# KiCad board Asfoora.kicad_pcb
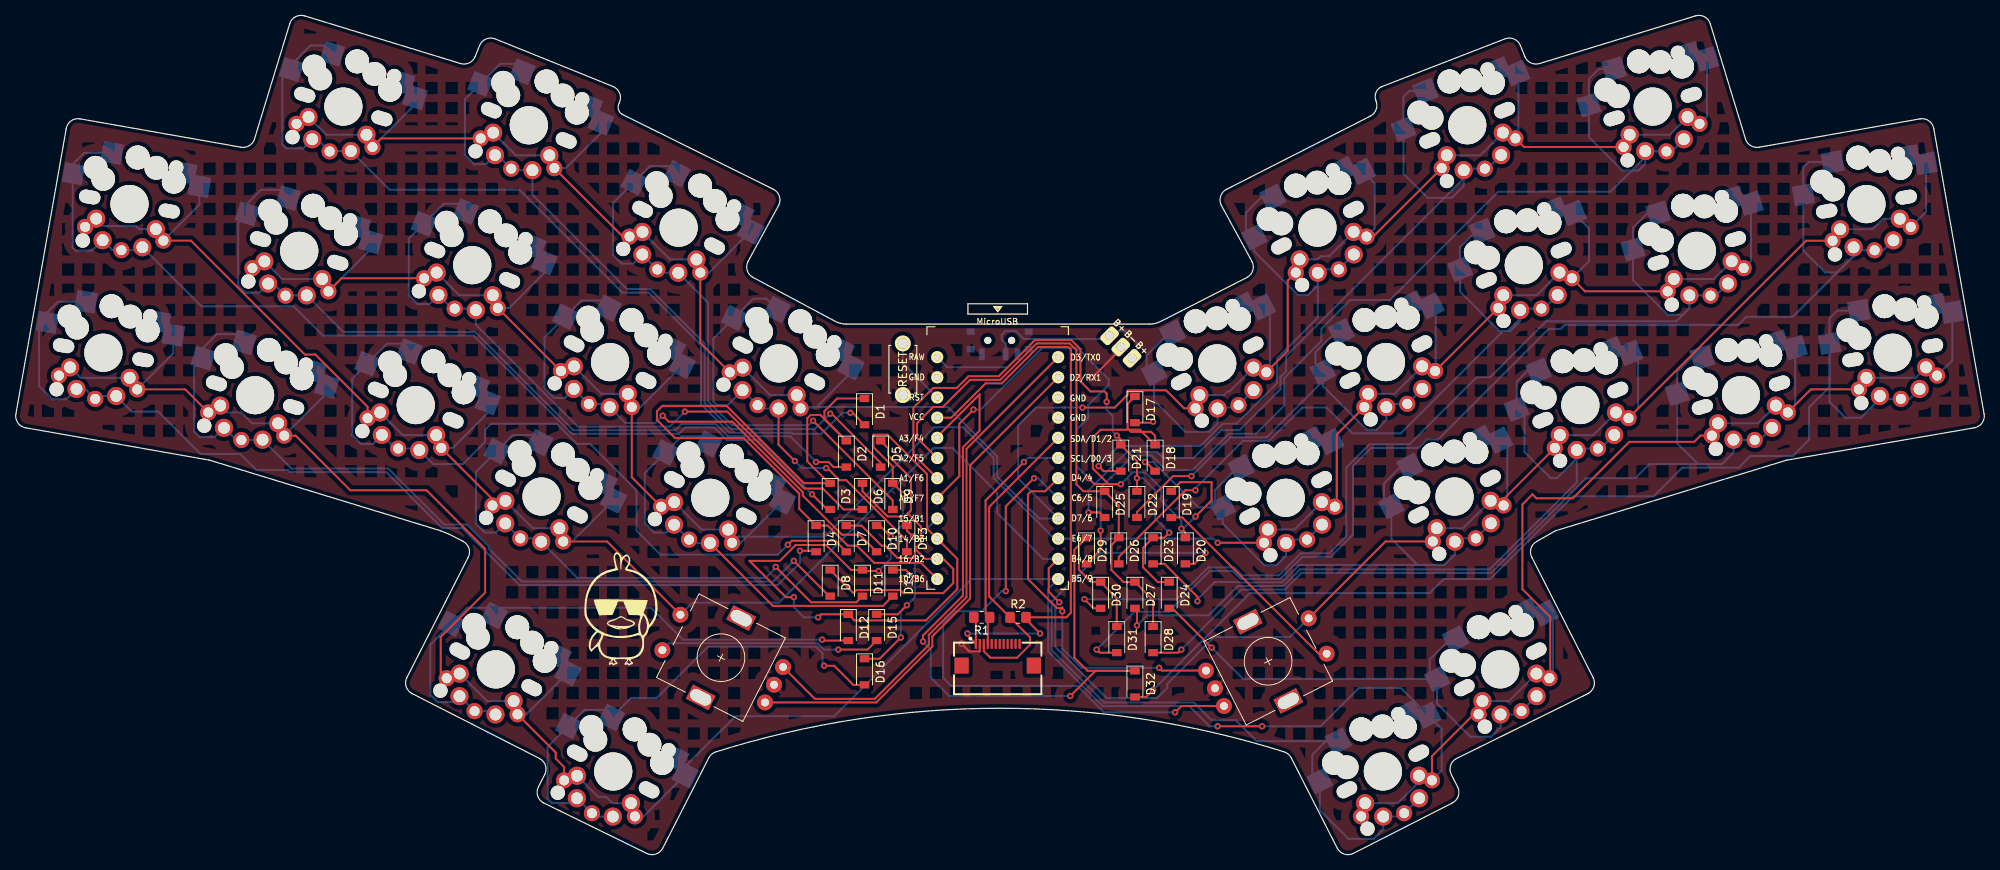
[diagram p0: board, top side]
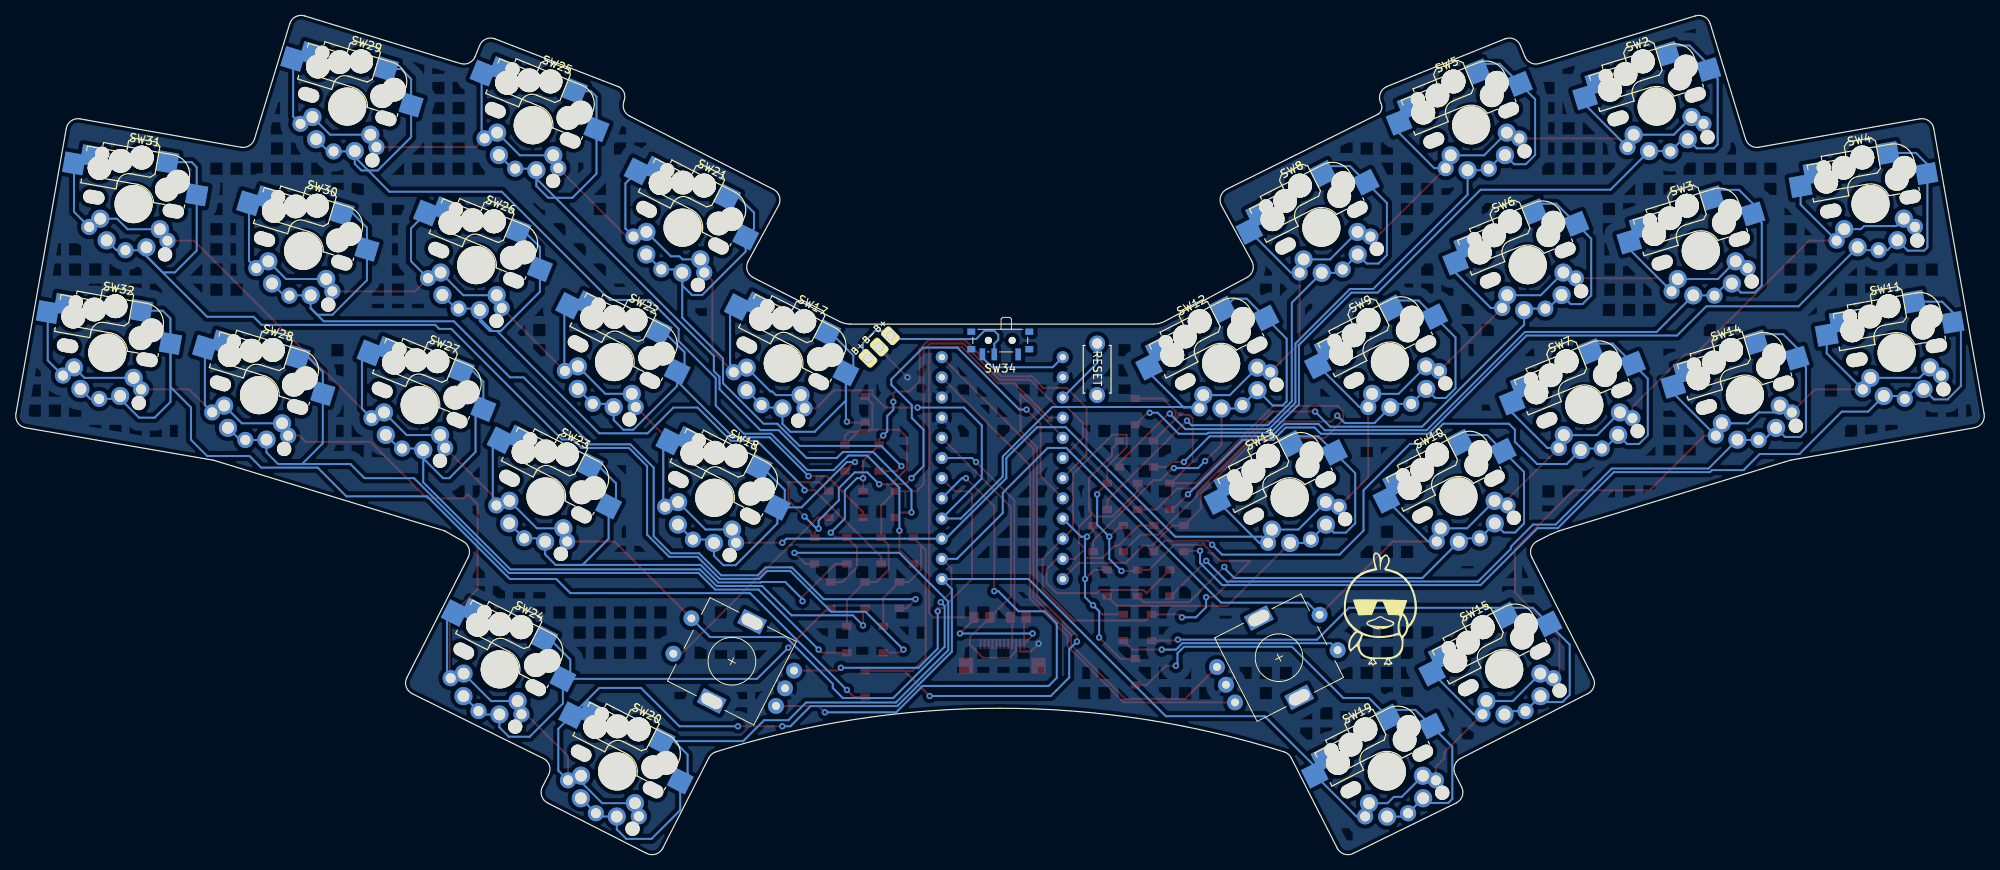
[diagram p1: board, bottom side, seen from below]

Outline 247.72 x 105.55 mm; copper layers: Top, Bottom. Coordinates in mm from the lower left corner of the outline.
Outline path: 0,55.42 6.34,91.37 arc(6.96,92.34) 8.08,92.59 28.33,89.01 arc(29.38,89.21) 30.03,90.05 34.46,104.56 arc(35.19,105.44) 36.34,105.55 55.97,99.55 arc(57.05,99.63) 57.8,100.42 58.36,101.82 arc(59.17,102.64) 60.32,102.65 75.15,96.66 arc(76,95.79) 75.93,94.57 arc(75.83,93.81) 76.26,93.17 95.35,83.71 arc(96.09,82.84) 96,81.69 92.14,74.62 arc(92.05,73.48) 92.8,72.6 103.16,67.07 arc(103.82,66.83) 104.52,66.74 142.7,66.74 arc(143.4,66.83) 144.06,67.07 154.92,72.6 arc(155.66,73.48) 155.57,74.62 151.72,81.69 arc(151.63,82.84) 152.37,83.71 170.47,92.94 arc(171.2,93.75) 171.18,94.83 arc(171.15,95.85) 171.83,96.62 187.4,102.65 arc(188.55,102.64) 189.35,101.82 189.92,100.42 arc(190.66,99.63) 191.75,99.55 211.38,105.55 arc(212.52,105.44) 213.25,104.56 217.69,90.05 arc(218.34,89.21) 219.38,89.01 239.64,92.59 arc(240.76,92.34) 241.38,91.37 247.72,55.42 arc(247.47,54.3) 246.5,53.69 222.92,49.62 arc(222.83,49.6) 222.74,49.57 193.76,40.71 191.44,39.39 arc(190.7,38.52) 190.79,37.38 198.51,22.23 arc(198.6,21.09) 197.85,20.21 181.31,12.04 arc(180.57,11.17) 180.66,10.02 181.45,8.46 arc(181.54,7.32) 180.8,6.45 168.32,0.09 arc(167.18,0) 166.31,0.75 160.51,12.12 arc(160.14,12.59) 159.62,12.87 arc(123.86,18.37) 88.09,12.87 arc(87.58,12.59) 87.21,12.12 81.41,0.75 arc(80.54,0) 79.39,0.09 66.42,6.45 arc(65.67,7.32) 65.76,8.46 66.56,10.02 arc(66.65,11.17) 65.9,12.04 49.86,20.21 arc(49.12,21.09) 49.21,22.23 56.93,37.38 arc(57.02,38.52) 56.27,39.39 54.54,40.28 53.46,40.71 24.48,49.57 arc(24.39,49.6) 24.3,49.62 1.22,53.69 arc(0.25,54.3) 0,55.42

## Placement (name value [footprint] x y rotation side)
D1  1N4148  [D_SOD-123]  106.8 55.72 270 top
D2  1N4148  [D_SOD-123]  104.52 50.39 270 top
D3  1N4148  [D_SOD-123]  102.49 45.05 270 top
D4  1N4148  [D_SOD-123]  100.71 39.72 270 top
D5  1N4148  [D_SOD-123]  108.84 50.39 270 top
D6  1N4148  [D_SOD-123]  106.55 45.05 270 top
D7  1N4148  [D_SOD-123]  104.52 39.72 270 top
D8  1N4148  [D_SOD-123]  102.49 34.13 270 top
D9  1N4148  [D_SOD-123]  110.36 45.05 270 top
D10  1N4148  [D_SOD-123]  108.33 39.72 270 top
D11  1N4148  [D_SOD-123]  106.55 34.13 270 top
D12  1N4148  [D_SOD-123]  104.77 28.54 270 top
D13  1N4148  [D_SOD-123]  112.14 39.72 270 top
D14  1N4148  [D_SOD-123]  110.36 34.13 270 top
D15  1N4148  [D_SOD-123]  108.33 28.54 270 top
D16  1N4148  [D_SOD-123]  106.8 22.96 270 top
D17  1N4148  [D_SOD-123]  140.84 55.98 270 top
D18  1N4148  [D_SOD-123]  143.38 49.88 270 top
D19  1N4148  [D_SOD-123]  145.41 44.04 270 top
D20  1N4148  [D_SOD-123]  147.19 38.2 270 top
D21  1N4148  [D_SOD-123]  139.06 49.88 270 top
D22  1N4148  [D_SOD-123]  141.09 44.04 270 top
D23  1N4148  [D_SOD-123]  143.13 38.2 270 top
D24  1N4148  [D_SOD-123]  145.16 32.61 270 top
D25  1N4148  [D_SOD-123]  137.03 44.04 270 top
D26  1N4148  [D_SOD-123]  138.81 38.2 270 top
D27  1N4148  [D_SOD-123]  140.84 32.61 270 top
D28  1N4148  [D_SOD-123]  143.13 27.02 270 top
D29  1N4148  [D_SOD-123]  134.74 38.2 270 top
D30  1N4148  [D_SOD-123]  136.52 32.61 270 top
D31  1N4148  [D_SOD-123]  138.55 27.02 270 top
D32  1N4148  [D_SOD-123]  140.84 21.43 270 top
G***  -  [LOGO]  76.07 29.56 0 top
G***#2  -  [LOGO]  76.07 29.56 180 bottom
J1  Conn_01x12_Female  [FPC-SMD_FPC05012-09200-.5mm-rev]  123.57 25.11 0 top
PAD1  -  [bat]  139.06 63.85 135 top
R1  4k7  [R_0805_2012Metric_Pad1.20x1.40mm_HandSolder]  121.55 29.81 180 top
R2  4k7  [R_0805_2012Metric_Pad1.20x1.40mm_HandSolder]  126.12 29.81 0 top
SW1  Rotary_Encoder_Switch  [RotaryEncoder_Alps_EC11E-Switch_Vertical_H20mm-keebio_modified]  88.74 24.73 153 top
SW2  SW_Push  [Kailh_hotswap_MX-CHOC]  41.21 94.13 343 top
SW3  SW_Push  [Kailh_hotswap_MX-CHOC]  35.66 75.96 343 top
SW4  SW_Push  [Kailh_hotswap_MX-CHOC]  14.3 81.86 350 top
SW5  SW_Push  [Kailh_hotswap_MX-CHOC]  64.55 91.77 338 top
SW6  SW_Push  [Kailh_hotswap_MX-CHOC]  57.43 74.16 338 top
SW7  SW_Push  [Kailh_hotswap_MX-CHOC]  50.32 56.54 338 top
SW8  SW_Push  [Kailh_hotswap_MX-CHOC]  83.41 78.88 333 top
SW9  SW_Push  [Kailh_hotswap_MX-CHOC]  74.78 61.95 333 top
SW10  SW_Push  [Kailh_hotswap_MX-CHOC]  66.15 45.02 333 top
SW11  SW_Push  [Kailh_hotswap_MX-CHOC]  11.01 63.13 350 top
SW12  SW_Push  [Kailh_hotswap_MX-CHOC]  96.02 61.79 333 top
SW13  SW_Push  [Kailh_hotswap_MX-CHOC]  87.4 44.86 333 top
SW14  SW_Push  [Kailh_hotswap_MX-CHOC]  30.1 57.79 343 top
SW15  SW_Push  [Kailh_hotswap_MX-CHOC]  60.4 23.26 333 top
SW16  Rotary_Encoder_Switch  [RotaryEncoder_Alps_EC11E-Switch_Vertical_H20mm-keebio_modified]  157.6 24.28 27 top
SW17  SW_Push  [Kailh_hotswap_MX-CHOC]  151.19 61.79 27 top
SW18  SW_Push  [Kailh_hotswap_MX-CHOC]  159.82 44.86 27 top
SW19  SW_Push  [Kailh_hotswap_MX-CHOC]  75.17 10.4 333 top
SW20  SW_Push  [Kailh_hotswap_MX-CHOC]  172.04 10.41 27 top
SW21  SW_Push  [Kailh_hotswap_MX-CHOC]  163.81 78.88 27 top
SW22  SW_Push  [Kailh_hotswap_MX-CHOC]  172.44 61.95 27 top
SW23  SW_Push  [Kailh_hotswap_MX-CHOC]  181.06 45.02 27 top
SW24  SW_Push  [Kailh_hotswap_MX-CHOC]  186.82 23.26 27 top
SW25  SW_Push  [Kailh_hotswap_MX-CHOC#2]  182.66 91.78 22 top
SW26  SW_Push  [Kailh_hotswap_MX-CHOC#2]  189.78 74.16 22 top
SW27  SW_Push  [Kailh_hotswap_MX-CHOC#2]  196.9 56.54 22 top
SW28  SW_Push  [Kailh_hotswap_MX-CHOC]  217.12 57.79 17 top
SW29  SW_Push  [Kailh_hotswap_MX-CHOC]  206.01 94.13 17 top
SW30  SW_Push  [Kailh_hotswap_MX-CHOC]  211.56 75.96 17 top
SW31  SW_Push  [Kailh_hotswap_MX-CHOC]  232.9 81.85 10 top
SW32  SW_Push  [Kailh_hotswap_MX-CHOC]  236.21 63.13 10 top
SW33  SW_Push  [ResetSW]  111.63 61.06 90 top
SW34  SW_SPDT  [SW_SPDT_PCM12]  123.82 64.36 0 bottom
U1  ProMicro_r  [ProMicro_v3.5]  123.57 48.1 0 top

## Library data of the parts
D1-D32 = -: LCSC: C909967
J1 = -: LCSC: C479750
R1 R2 = -: LCSC: C269746

## Footprints (pads in the part's own frame, mm; a bottom-side part is the same pattern mirrored in y, then rotated)
bat
  rrect 1.5x2.25 hole 1.092: 1(2,0) 2(0,0) 3(-2,0)
D_SOD-123
  rect 0.9x1.2 smd: 1(-1.65,0) 2(1.65,0)
FPC-SMD_FPC05012-09200-.5mm-rev
  rect 0.28x1.25 smd: 1(-2.75,1.362) 2(-2.25,1.362) 3(-1.75,1.362) 4(-1.25,1.362) 5(-0.75,1.362) 6(-0.25,1.362) 7(0.25,1.362) 8(0.75,1.362) 9(1.25,1.362) 10(1.75,1.362) 11(2.25,1.362) 12(2.75,1.362)
  rect 1.8x2 smd: 13(4.55,-1.362) 14(-4.55,-1.362)
Kailh_hotswap_MX-CHOC
  oval 2.702x1.707 hole 2.702x1.702 unplated: (-5.08,0.004)
  round 3 hole 3 unplated: (-4.998,3.753) (-3.81,2.54) (0,5.95) (0.002,5.953) (2.54,5.08) (5,3.75) (5.002,3.753)
  round 1.8 hole 1.8 unplated: (-4.997,-5.546) (5.003,5.554)
  round 4.8 hole 4.8 unplated: (0.004,0.004)
  oval 2.702x1.702 hole 2.702x1.702 unplated: (5.08,0)
  round 2.032 hole 1.27: 1(-4.998,-3.797) 1(5.002,-3.797) 2(0.002,-5.897)
  round 2.286 hole 1.499: 1(-3.808,-2.537) 1(3.812,-2.537) 2(-2.538,-5.077) 2(2.542,-5.077)
  rect 2.55x2.5 smd far side: 1(6.29,5.08) 2(-7.62,2.54)
  rect 2.6x2.6 smd far side: 1(8.275,3.75) 2(-3.273,5.953)
Kailh_hotswap_MX-CHOC#2
  oval 2.702x1.707 hole 2.702x1.702 unplated: (-5.08,0.004)
  round 3 hole 3 unplated: (-4.998,3.753) (-3.81,2.54) (0,5.95) (0.002,5.953) (2.54,5.08) (5,3.75) (5.002,3.753)
  round 1.8 hole 1.8 unplated: (-4.997,-5.546) (5.003,5.554)
  round 4.8 hole 4.8 unplated: (0.004,0.004)
  oval 2.702x1.702 hole 2.702x1.702 unplated: (5.08,0)
  round 2.032 hole 1.27: 1(-4.998,-3.797) 1(5.002,-3.797) 2(0.002,-5.897)
  round 2.286 hole 1.499: 1(-3.808,-2.537) 1(3.812,-2.537) 2(-2.538,-5.077) 2(2.542,-5.077)
  rect 2.55x2.5 smd far side: 1(6.29,5.08) 2(-7.62,2.54)
  rect 2.6x2.6 smd far side: 1(8.275,3.75) 2(-3.273,5.953)
ProMicro_v3.5
  round 1.524 hole 0.813: 1(7.611,14.478) 2(7.611,11.938) 3(7.611,9.398) 4(7.611,6.858) 5(7.611,4.318) 6(7.611,1.778) 7(7.611,-0.762) 8(7.611,-3.302) 9(7.611,-5.842) 10(7.611,-8.382) 11(7.611,-10.922) 12(7.611,-13.462) 13(-7.609,-13.462) 14(-7.609,-10.922) 15(-7.609,-8.382) 16(-7.609,-5.842) 17(-7.609,-3.302) 18(-7.609,-0.762) 19(-7.609,1.778) 20(-7.609,4.318) 21(-7.609,6.858) 22(-7.609,9.398) 23(-7.609,11.938) 24(-7.609,14.478)
R_0805_2012Metric_Pad1.20x1.40mm_HandSolder
  rrect 1.2x1.4 smd: 1(-1,0) 2(1,0)
ResetSW
  round 2 hole 1.3: 1(3.25,0) 2(-3.25,0)
RotaryEncoder_Alps_EC11E-Switch_Vertical_H20mm-keebio_modified
  round 2 hole 1: A(-7.5,2.5) B(-7.5,-2.5) C(-7.5,0) S1(7,-2.5) S2(7,2.5)
  rect 3.2x2 hole 2.8x1.5: MP(0,5.6) MP(0,-5.6)
SW_SPDT_PCM12
  rect 1x0.8 smd: (-3.65,-1.43) (-3.65,0.78) (3.65,-1.43) (3.65,0.78)
  round 0.9 hole 0.9 unplated: (-1.5,-0.33) (1.5,-0.33)
  rect 0.7x1.5 smd: 1(-2.25,1.43) 2(0.75,1.43) 3(2.25,1.43)

## Nets
gnd: J1.2 PAD1.2 SW1.C SW16.C SW33.2 U1.3 U1.4 U1.23
vcc: J1.1 R1.2 R2.2 U1.21
bat+: PAD1.1 PAD1.3 SW34.2
col_0: D1.1 D2.1 D3.1 D4.1 U1.13
col_1: D5.1 D6.1 D7.1 D8.1 U1.14
col_2: D9.1 D10.1 D11.1 D12.1 U1.15
col_3: D13.1 D14.1 D15.1 D16.1 U1.16
col_4: D17.1 D18.1 D19.1 D20.1 U1.17
col_5: D21.1 D22.1 D23.1 D24.1 U1.18
col_6: D25.1 D26.1 D27.1 D28.1 U1.19
col_7: D29.1 D30.1 D31.1 D32.1 U1.20
EncL1: SW1.A U1.2
EncL2: SW16.A U1.7
EncR1: SW1.B U1.1
EncR2: SW16.B U1.8
raw: SW34.3 U1.24
reset: SW33.1 U1.22
row_0: SW2.1 SW5.1 SW8.1 SW12.1 SW17.1 SW21.1 SW25.1 SW29.1 U1.9
row_1: SW3.1 SW6.1 SW9.1 SW13.1 SW18.1 SW22.1 SW26.1 SW30.1 U1.10
row_2: SW1.S1 SW4.1 SW7.1 SW10.1 SW16.S2 SW23.1 SW27.1 SW31.1 U1.11
row_3: SW11.1 SW14.1 SW15.1 SW19.1 SW20.1 SW24.1 SW28.1 SW32.1 U1.12
scl: J1.4 R1.1 U1.6
sda: J1.3 R2.1 U1.5
SW31B: D15.2 SW1.S2
SW32B: D19.2 SW16.S1
Net-(D1-Pad2): D1.2 SW2.2
Net-(D2-Pad2): D2.2 SW3.2
Net-(D3-Pad2): D3.2 SW4.2
Net-(D4-Pad2): D4.2 SW11.2
Net-(D5-Pad2): D5.2 SW5.2
Net-(D6-Pad2): D6.2 SW6.2
Net-(D7-Pad2): D7.2 SW7.2
Net-(D8-Pad2): D8.2 SW14.2
Net-(D9-Pad2): D9.2 SW8.2
Net-(D10-Pad2): D10.2 SW9.2
Net-(D11-Pad2): D11.2 SW10.2
Net-(D12-Pad2): D12.2 SW15.2
Net-(D13-Pad2): D13.2 SW12.2
Net-(D14-Pad2): D14.2 SW13.2
Net-(D16-Pad2): D16.2 SW19.2
Net-(D17-Pad2): D17.2 SW17.2
Net-(D18-Pad2): D18.2 SW18.2
Net-(D20-Pad2): D20.2 SW20.2
Net-(D21-Pad2): D21.2 SW21.2
Net-(D22-Pad2): D22.2 SW22.2
Net-(D23-Pad2): D23.2 SW23.2
Net-(D24-Pad2): D24.2 SW24.2
Net-(D25-Pad2): D25.2 SW25.2
Net-(D26-Pad2): D26.2 SW26.2
Net-(D27-Pad2): D27.2 SW27.2
Net-(D28-Pad2): D28.2 SW28.2
Net-(D29-Pad2): D29.2 SW29.2
Net-(D30-Pad2): D30.2 SW30.2
Net-(D31-Pad2): D31.2 SW31.2
Net-(D32-Pad2): D32.2 SW32.2

Pads without a net: J1 5 6 7 8 9 10 11 12 13 14; SW1 MP; SW16 MP; SW34 1

## Via types
v1: diameter 0.8, hole 0.4, Top to Bottom, 66 vias

## Routing (per net, layer and track width the routed paths; a pad name or vN(x,y) marks a point on that pad's centre or on a via; arc(x,y) is an arc through that point)
gnd: length 8.9
  Top w0.25: v1(119,26.51) 119.99,25.52 121.28,25.52 121.32,25.55 J1.2 ; PAD1.2 139.06,63.6 v1(135.51,60.04)
vcc: length 76.8
  Top w0.25: R1.2 120.82,29.55 J1.1 119.76,27.53 v1(119.76,27.78) ; v1(128.9,27.78) 127.12,29.56 R2.2 132.2,29.81 132.77,30.38 132.77,63.54 132.46,63.85 128.65,63.85 124.08,59.28 122.04,59.28 117.73,54.96 115.95,54.96
  Bottom w0.25: v1(128.9,27.78) v1(119.76,27.78)
bat+: length 23.6
  Bottom w0.25: SW34.2 124.57,64.27 124.08,64.77 124.08,65.4 124.57,65.89 125.82,65.89 126.85,64.87 137.25,64.87 PAD1.1 138.27,65.88 139.57,65.88 141.09,64.36 141.09,63.05 PAD1.3
col_0: length 98.4
  Top w0.25: D1.1 103.37,57.37 101.76,55.77 101.76,54.79 D2.1 101.25,55.3 100.03,55.3 99.6,54.88 99.6,49.45 102.35,46.7 D3.1 99.19,46.7 89.44,56.45 81.37,56.45 80.68,55.76 80.68,54.67 82.97,52.38 91.6,52.38 98.59,45.4 98.59,43.49 D4.1 102.18,41.37 104.71,38.84 105.86,38.84 108.03,36.67 113.92,36.67 115.95,34.64
col_1: length 61.2
  Top w0.25: 113.15,38.45 113.92,39.21 113.92,41.24 112.27,42.89 ; 113.15,38.45 114.42,37.18 116.71,37.18 117.98,35.91 117.98,34.13 116.71,32.86 111.68,32.86 111.29,33.26 105.8,33.26 105.41,32.86 D8.1 ; 113.15,38.45 113.15,37.39 113.06,37.3 110.95,37.3 109.4,38.84 108.95,38.84 106.42,41.37 D7.1 ; 112.27,42.89 111.88,42.51 109.73,42.51 106.55,45.69 D6.1 ; 112.27,42.89 112.65,43.28 112.65,47.34 109.76,50.23 109.76,51.11 D5.1
col_2: length 97.6
  Top w0.25: v1(110.11,39.97) 108.71,41.37 D10.1 ; v1(97.91,32.35) 96.9,32.35 92.33,36.93 96.15,36.93 98.14,38.92 101.97,38.92 105.11,35.78 D11.1 106.68,35.66 v1(108.58,35.66) ; v1(100.96,29.81) 101.34,30.19 D12.1 105.55,29.42 114.54,29.42 118.49,33.37 118.49,37.18 114.68,40.99 114.68,47.85 109.71,52.81 107.91,52.81 107.91,51.26 110.36,48.81 D9.1 111.63,45.43 v1(111.63,45.31)
  Bottom w0.25: v1(111.63,45.31) 111.63,41.5 v1(110.11,39.97) 110.11,37.18 v1(108.58,35.66) ; v1(100.96,29.81) 99.19,29.81 97.91,31.09 v1(97.91,32.35)
col_3: length 32.5
  Top w0.25: D14.1 112.01,35.78 v1(113.15,34.64) ; D15.1 110.99,30.19 v1(112.14,31.34) ; D16.1 108.71,24.61 v1(111.38,27.27) ; D13.1 112.14,40.74 v1(112.9,39.97)
  Bottom w0.25: 115.95,42.26 113.66,39.97 v1(112.9,39.97) 113.15,39.72 v1(113.15,34.64) 113.15,32.35 v1(112.14,31.34) 111.38,30.58 v1(111.38,27.27)
col_4: length 107.9
  Top w0.25: v1(120.52,55.98) 118.74,54.2 118.74,47.59 115.95,44.8 ; D20.1 147.19,40.48 v1(146.68,40.99) ; D19.1 146.56,46.83 150.49,46.83 150.49,44.55 v1(148.46,42.51) ; v1(135,47.34) 135.76,46.58 v1(139.06,46.58) 137.53,46.58 135.54,48.56 135.54,52.46 136.52,53.44 141.47,53.44 D18.1 143.38,52.67 142.87,53.18 140.33,53.18 139.92,53.6 139.92,56.7 D17.1
  Bottom w0.25: v1(135,47.34) 133.47,48.86 133.47,53.44 134.96,54.92 134.96,56.53 137.54,59.11 137.54,59.79 133.54,63.78 129.22,63.78 121.42,55.98 v1(120.52,55.98) ; v1(139.06,46.58) 140.55,48.06 142.15,48.06 144.14,46.07 144.14,44.55 146.68,42.01 v1(146.68,40.99) 146.94,40.99 v1(148.46,42.51)
col_5: length 76.7
  Top w0.25: v1(137.28,56.95) 137.28,58.01 137.03,58.26 135.25,58.26 133.98,59.53 133.98,63.6 132.83,64.75 128.28,64.75 123.7,60.18 119.89,60.18 118.42,58.7 115.45,58.7 112.96,56.21 112.96,50.33 115.95,47.34 ; v1(145.16,40.48) 144.52,39.85 D23.1 141.86,38.58 141.86,36.12 143.72,34.26 D24.1 ; v1(138.55,52.71) 139.06,52.2 D21.1 141.09,49.5 v1(141.09,47.34) D22.1
  Bottom w0.25: v1(138.55,52.71) 138.05,53.22 138.05,55.18 137.28,55.94 v1(137.28,56.95) ; v1(145.16,40.48) 143.38,42.26 143.38,45.82 141.86,47.34 v1(141.09,47.34)
col_6: length 72
  Top w0.25: D28.1 143.13,31.97 D27.1 139.4,34.26 137.88,35.77 137.88,38.92 D26.1 138.81,43.91 D25.1 134.36,45.69 133.47,46.58 133.47,63.47 132.65,64.3 128.46,64.3 123.89,59.73 120.08,59.73 116.65,56.3 115.45,56.3 113.41,54.26 113.41,52.42 115.95,49.88
col_7: length 112.9
  Top w0.25: 115.95,52.42 115.95,52.55 121.28,57.88 121.28,53.31 119.19,51.22 119.19,32.55 114.17,27.53 v1(114.17,26.77) ; v1(132.71,19.91) 135.89,23.08 D32.1 134.87,23.08 133.22,24.73 133.22,38.32 D29.1 133.79,38.89 133.79,35.8 135.33,34.26 D30.1 138.55,32.23 D31.1
  Bottom w0.25: v1(114.17,26.77) 115.15,25.79 115.15,22.23 117.47,19.91 v1(132.71,19.91)
EncL1: length 64.4
  Top w0.25: 131.19,60.04 120.09,48.94 120.09,32.18 115.34,27.43 115.34,26.16 108.28,19.1 SW1.A
EncL2: length 45.6
  Top w0.25: 131.19,47.34 129.54,45.69 127.76,45.69 127.38,45.31 127.38,34.63 131.02,30.99 131.62,30.99 131.7,31.07 v1(131.7,30.58) ; v1(143.89,23.46) 144.25,23.11 SW16.A
  Bottom w0.25: v1(131.7,30.58) 131.7,25.88 134.11,23.46 v1(143.89,23.46)
EncR1: length 65.8
  Top w0.25: 131.19,62.58 119.64,51.03 119.64,32.36 114.9,27.62 114.9,26.35 108.1,19.55 100.56,19.55 SW1.B
EncR2: length 73.7
  Top w0.25: v1(128.14,47.34) 124.58,43.78 v1(124.58,33.12) ; SW16.B 146.7,18.65 v1(145.9,17.85)
  Bottom w0.25: v1(124.58,33.12) 124.07,33.12 121.53,30.58 118.23,30.58 116.71,29.05 116.71,22.19 117.73,21.18 133.6,21.18 136.92,17.85 v1(145.9,17.85) ; 131.19,44.8 128.65,47.34 v1(128.14,47.34)
raw: length 11.6
  Bottom w0.25: 115.95,62.58 117.22,61.31 124.85,61.31 126.07,62.53 SW34.3
reset: length 8.6
  Bottom w0.25: 115.95,57.5 111.63,61.82 SW33.1
row_0: length 297.2
  Top w0.25: SW8.1 76.38,77.76 SW5.1 ; SW17.1 147.03,56.14 144.77,58.4 139.92,58.4 139.92,57.85 138.3,56.23 v1(134.24,56.23) ; SW29.1 189.82,89.04 SW25.1 ; SW25.1 170.84,77.77 SW21.1 ; SW21.1 160.06,72.21 160.06,63.37 SW17.1 ; SW12.1 86.14,64.38 SW8.1 ; SW2.1 45.98,90.13 SW5.1
  Bottom w0.25: SW8.1 82.32,74.89 SW8.1 ; v1(134.24,56.23) 128.39,56.23 126.15,53.98 126.15,47.3 131.19,42.26 128.78,42.26 123.51,47.53 123.51,50.07 117.28,56.3 98.92,56.3 SW12.1 98.85,56.23 100.71,56.23 105.1,60.62 SW12.1 ; SW21.1 171.01,84.45 171.01,78.78 SW21.1 ; SW2.1 39.06,90.59 SW2.1 ; SW12.1 94.94,57.8 SW12.1 ; SW21.1 165.29,75.28 164.21,75.28 163.82,74.89 SW21.1 ; SW8.1 87.24,73.22 SW8.1 ; SW17.1 152.74,58.26 152.52,58.26 152.06,57.8 SW17.1 ; SW25.1 184.29,88 SW25.1 ; SW2.1 50.22,94.37 SW2.1 ; SW17.1 157.83,61.13 157.83,67.92 SW17.1 ; SW5.1 69.2,86.38 73.63,90.81 SW5.1 ; SW29.1 208.17,90.59 SW29.1 ; SW5.1 62.93,87.99 SW5.1 ; SW25.1 189.1,98.18 189.1,90.51 SW25.1 ; SW29.1 212.82,92.88 SW29.1
row_1: length 290
  Top w0.25: SW30.1 197.49,70.87 SW26.1 ; SW22.1 178.64,60.84 SW26.1 ; 166.24,44.8 166.24,52.83 SW22.1 ; SW3.1 40.98,72.51 SW6.1 ; SW9.1 77.51,47.45 SW13.1 ; SW9.1 68.58,60.83 SW6.1 ; SW18.1 v1(151.26,39.21)
  Bottom w0.25: SW18.1 160.91,40.87 SW18.1 ; SW26.1 191.41,70.38 SW26.1 ; SW9.1 78.62,56.29 SW9.1 ; SW9.1 73.69,57.96 SW9.1 ; v1(151.26,39.21) 150.75,39.72 130.68,39.72 123.06,47.34 123.06,49.88 119.18,53.76 115.59,53.76 101.8,39.97 90.9,39.97 SW13.1 91.23,39.2 SW13.1 ; SW6.1 55.81,70.38 SW6.1 ; SW30.1 213.72,72.42 SW30.1 ; SW26.1 197.99,78.8 197.99,74.66 SW26.1 ; SW30.1 218.38,74.71 SW30.1 ; SW3.1 44.67,76.2 SW3.1 ; SW13.1 86.31,40.87 SW13.1 ; SW3.1 33.5,72.42 SW3.1 ; SW22.1 173.52,57.96 SW22.1 ; SW22.1 178.69,60.91 178.69,68.47 SW22.1 ; SW18.1 166.24,43.99 166.24,50.9 ; SW6.1 66.51,73.19 62.09,68.76 SW6.1
row_2: length 345.7
  Top w0.25: SW1.S1 74.41,39.37 SW10.1 ; SW23.1 172.38,39.37 SW16.S2 ; SW23.1 187.24,44.71 SW27.1 ; SW4.1 22.03,77.25 36.37,62.91 37.68,62.91 44.26,56.33 SW7.1 ; v1(131.32,31.71) 129.99,33.05 129.99,35.98 131.19,37.18 ; SW10.1 59.98,44.7 SW7.1 ; SW27.1 225.3,77.24 SW31.1
  Bottom w0.25: SW31.1 233.67,78.69 234.99,80.01 SW31.1 ; SW7.1 54.97,51.15 59.39,55.57 SW7.1 ; SW10.1 69.99,39.37 SW10.1 ; SW4.1 23.1,81.78 SW4.1 ; SW31.1 240.4,80.89 SW31.1 ; SW4.1 15.5,78.7 15.11,79.09 11.04,79.09 SW4.1 ; SW23.1 187.7,44.37 187.7,51.15 SW23.1 ; SW7.1 48.69,52.76 SW7.1 ; SW16.S2 160.34,27.33 150.8,27.33 144.9,21.44 144.9,20.92 143.63,19.65 137.28,19.65 130.82,26.12 130.82,31.21 v1(131.32,31.71) ; 131.19,37.18 129.28,37.18 123.51,42.95 123.51,45.49 117.85,51.15 115.52,51.15 96.04,31.67 85.16,31.67 SW1.S1 ; SW27.1 198.53,52.77 SW27.1 ; SW27.1 204.17,56.1 204.17,62.12 SW27.1 ; SW23.1 182.15,41.03 SW23.1 ; SW10.1 65.07,41.03 SW10.1
row_3: length 402.9
  Top w0.25: SW20.1 178.23,12.33 183.5,17.61 SW24.1 ; SW15.1 53.46,22.9 53.46,27.34 59.05,32.93 59.05,38.45 51.69,45.82 42.09,45.82 35.21,52.69 SW14.1 ; SW28.1 225.91,58.52 SW32.1 ; SW11.1 21.31,58.52 SW14.1 ; SW19.1 68.99,10.98 67.94,12.03 67.94,12.8 SW15.1 ; SW24.1 193.11,22.26 193.11,29.87 189.61,33.37 189.61,44.04 190.88,45.31 191.39,44.8 195.96,44.8 203.07,51.91 211.22,51.91 212.01,52.7 SW28.1 ; v1(156.84,16.1) v1(151.25,16.1)
  Bottom w0.25: SW14.1 39.11,58.03 SW14.1 ; SW19.1 73.29,7.21 74.29,7.21 75.09,6.41 SW19.1 ; SW28.1 219.28,54.25 SW28.1 ; SW32.1 243.71,62.17 SW32.1 ; SW32.1 239.08,59.97 SW32.1 ; SW19.1 79.01,4.75 SW19.1 84.25,11.07 90.55,17.37 102.99,17.37 120.27,34.64 131.19,34.64 129.92,33.37 129.92,25.5 136.78,18.64 147.7,18.64 150.24,16.1 v1(151.25,16.1) ; SW11.1 8.14,59.97 SW11.1 ; SW11.1 19.81,63.06 SW11.1 ; SW15.1 59.31,19.27 SW15.1 ; SW15.1 64.24,17.61 SW15.1 ; SW24.1 193.45,29.39 193.45,22.61 SW24.1 ; SW28.1 223.93,56.54 SW28.1 ; SW20.1 176.59,9.09 173.92,6.42 SW20.1 ; SW20.1 179.45,10.52 179.45,15.77 SW20.1 174.29,20.92 169.03,20.92 164.21,16.1 v1(156.84,16.1) ; SW14.1 29.72,54.25 28.35,55.62 SW14.1 ; SW24.1 187.91,19.27 SW24.1
scl: length 29.7
  Top w0.25: v1(126.87,49.37) 122.04,44.55 122.04,30.32 R1.1 122.32,29.58 J1.4
  Bottom w0.25: 131.19,49.88 127.38,49.88 v1(126.87,49.37)
sda: length 39.5
  Top w0.25: 131.19,52.42 122.49,43.73 122.49,32.44 R2.1 127.63,27.31 127.63,26.37 126,24.73 122.64,24.73 121.82,25.55 J1.3
SW31B: length 28.1
  Top w0.25: v1(103.5,25.75) 107.18,25.75 D15.2
  Bottom w0.25: v1(103.5,25.75) 101.71,25.75 100.9,26.56 82.24,26.56 SW1.S2
SW32B: length 26.7
  Top w0.25: D19.2 146.81,42.39 163.96,25.23 SW16.S1
Net-(D1-Pad2): length 112.5
  Top w0.25: v1(105.03,55.57) 105.3,55.57 D1.2
  Bottom w0.25: v1(105.03,55.57) 104.01,55.57 101.36,52.93 97.79,52.93 97.65,53.06 89.81,53.06 86.23,56.65 86.23,64.1 79.63,70.71 76.32,70.71 63.37,83.66 47.02,83.66 SW2.2 39.53,88.53 SW2.2 37.96,90.01 SW2.2 36.16,88.87 34.03,88.87 33.54,89.37 33.54,97.65 SW2.2 34.67,99.41 37.08,101.82 38.78,101.82 SW2.2
Net-(D2-Pad2): length 104.7
  Top w0.25: v1(100.71,49.37) 102.28,49.37 102.92,48.74 D2.2
  Bottom w0.25: SW3.2 33.23,83.65 30.84,83.65 29.11,81.92 SW3.2 27.98,79.48 27.98,71.59 28.86,70.71 30.61,70.71 SW3.2 32.41,71.84 SW3.2 33.98,70.36 SW3.2 41.21,65.75 57.78,65.75 70.16,53.38 82.99,53.38 83.78,54.17 88.07,54.17 89.63,52.62 97.47,52.62 v1(100.71,49.37)
Net-(D3-Pad2): length 127.1
  Top w0.25: D3.2 102.1,43.4 v1(100.2,45.31)
  Bottom w0.25: SW4.2 12.1,88.3 8.58,88.3 7.23,86.95 SW4.2 7.14,85.59 7.14,76.4 7.54,75.99 9.61,75.99 SW4.2 12.16,76.05 SW4.2 15.55,76.05 SW4.2 23.36,68.98 34.97,68.98 38.64,65.3 57.6,65.3 69.97,52.93 83.47,52.93 84.26,53.72 87.89,53.72 89.44,52.17 93.34,52.17 v1(100.2,45.31)
Net-(D4-Pad2): length 127.4
  Top w0.25: D4.2 100.58,38.2 v1(98.68,38.2)
  Bottom w0.25: SW11.2 8.81,69.57 5.29,69.57 3.94,68.22 SW11.2 2.92,65.93 2.92,58.94 4.59,57.26 6.32,57.26 SW11.2 8.74,58.57 SW11.2 10.35,57.69 SW11.2 14.59,55.72 17.9,55.72 23.24,50.39 28.24,50.39 30.27,48.36 34.24,48.36 34.5,48.1 46.61,48.1 53.66,41.05 56.2,41.05 63.37,33.88 95.88,33.88 98.68,36.67 v1(98.68,38.2)
Net-(D5-Pad2): length 94.2
  Top w0.25: D5.2 108.84,49.28 102.65,55.47 v1(102.49,55.47)
  Bottom w0.25: SW5.2 62.75,99.52 60.97,99.52 SW5.2 56.51,95.06 56.51,88.03 57.67,86.88 59.15,86.88 SW5.2 60.63,88.02 SW5.2 62.54,86.12 SW5.2 65.01,83.04 76.89,71.16 79.81,71.16 86.68,64.29 86.68,56.83 90,53.51 100.53,53.51 v1(102.49,55.47)
Net-(D6-Pad2): length 88.4
  Top w0.25: v1(84.2,55.72) 89.53,55.72 99.22,46.03 101.56,46.03 104.19,43.4 D6.2
  Bottom w0.25: SW6.2 55.63,81.9 53.86,81.9 SW6.2 49.45,77.5 49.45,70.36 50.55,69.26 52.04,69.26 SW6.2 54.89,68.69 SW6.2 57.7,68.69 SW6.2 57.89,66.66 70.73,53.83 82.3,53.83 v1(84.2,55.72)
Net-(D7-Pad2): length 95.3
  Top w0.25: D7.2 103.12,39.47 97.66,39.47 v1(97.15,38.96)
  Bottom w0.25: v1(97.15,38.96) 95.91,37.71 81.13,37.71 78.1,40.74 78.1,45.82 72.26,51.66 70.61,51.66 68.07,54.2 59.81,54.2 59.05,53.44 59.05,51.91 56.26,49.12 52.54,49.12 SW7.2 50.58,51.07 SW7.2 47.77,51.07 SW7.2 44.92,51.64 43.43,51.64 42.33,52.74 42.33,59.88 SW7.2 46.74,64.29 48.51,64.29 SW7.2
Net-(D8-Pad2): length 109.2
  Top w0.25: D8.2 102.36,32.48 v1(97.91,36.93)
  Bottom w0.25: v1(97.91,36.93) 95.31,34.33 63.68,34.33 59.56,38.45 59.56,38.7 56.77,41.5 53.91,41.5 46.86,48.55 34.68,48.55 SW14.2 31.01,52.15 SW14.2 27.72,52.15 SW14.2 25.05,52.53 23.13,52.53 22.43,53.23 22.43,61.31 SW14.2 23.56,63.75 25.28,65.48 27.67,65.48 SW14.2
Net-(D9-Pad2): length 74.7
  Top w0.25: D9.2 110.36,44.55 v1(100.33,54.58)
  Bottom w0.25: SW8.2 82.23,86.63 79.8,86.63 SW8.2 75.16,81.99 75.16,75.43 76.23,74.36 77.7,74.36 SW8.2 78.85,75.51 SW8.2 81.15,73.2 SW8.2 87.13,69.44 87.13,57.02 90.14,54.01 99.76,54.01 v1(100.33,54.58)
Net-(D10-Pad2): length 69.1
  Top w0.25: D10.2 106.17,40.23 103.96,40.23 99.04,45.15 99.04,45.58 90.17,54.45 82.17,54.45 v1(81.4,55.21)
  Bottom w0.25: SW9.2 73.6,69.71 71.18,69.71 SW9.2 66.54,65.06 66.54,58.65 67.75,57.43 69.07,57.43 SW9.2 72.1,56.69 SW9.2 74.32,56.69 SW9.2 76.74,54.28 80.47,54.28 v1(81.4,55.21)
Net-(D11-Pad2): length 72.1
  Top w0.25: v1(95.63,36.16) 100.09,31.71 105.78,31.71 D11.2
  Bottom w0.25: SW10.2 64.97,52.78 62.55,52.78 SW10.2 57.91,48.13 57.91,41.63 59.03,40.51 60.45,40.51 SW10.2 63.47,39.76 SW10.2 65.69,39.76 SW10.2 70.68,34.78 94.36,34.78 95.63,36.05 v1(95.63,36.16)
Net-(D12-Pad2): length 73.2
  Top w0.25: v1(101.47,27.01) 101.59,26.89 D12.2
  Bottom w0.25: v1(101.47,27.01) 83.96,27.01 79.95,31.02 61.15,31.02 SW15.2 59.22,31.02 56.8,31.02 SW15.2 52.15,26.38 52.15,20.06 53.07,19.15 55.09,19.15 SW15.2 57.72,18.01 SW15.2 59.94,18.01 SW15.2
Net-(D13-Pad2): length 55.9
  Top w0.25: SW12.2 95.98,51.56 v1(98.04,49.5) ; v1(101.98,48.61) 102.14,48.61 103.67,47.09 104.52,47.09 112.14,39.47 D13.2
  Bottom w0.25: v1(98.04,49.5) 98.93,48.61 v1(101.98,48.61) ; SW12.2 94.44,69.95 92.82,69.95 SW12.2 87.78,64.9 87.78,57.01 88.28,56.5 89.54,56.5 SW12.2 91.46,58.42 SW12.2 93.77,56.11 SW12.2
Net-(D14-Pad2): length 53.5
  Top w0.25: SW13.2 95.28,31.26 109.14,31.26 D14.2
  Bottom w0.25: SW13.2 85.14,39.18 SW13.2 82.84,41.49 SW13.2 81.82,40.48 80.33,40.48 79.15,41.66 79.15,47.97 SW13.2 83.79,52.62 86.22,52.62 SW13.2
Net-(D16-Pad2): length 64.9
  Top w0.25: v1(101.72,23.72) 102.99,23.72 105.41,21.31 D16.2
  Bottom w0.25: SW19.2 72.92,4.73 SW19.2 70.61,7.03 SW19.2 70.02,6.45 67.43,6.45 66.93,6.95 66.93,13.52 SW19.2 71.57,18.16 73.99,18.16 SW19.2 77.42,19.65 80.64,19.65 87.1,26.11 100.71,26.11 101.52,25.3 101.52,23.92 v1(101.72,23.72)
Net-(D17-Pad2): length 36.5
  Top w0.25: v1(143.13,54.45) 143,54.33 D17.2
  Bottom w0.25: SW17.2 143.25,57.12 147.19,53.18 150.24,53.18 151.24,54.18 SW17.2 151.35,56.23 153.57,56.23 SW17.2 ; SW17.2 143.25,54.58 v1(143.13,54.45) ; SW17.2 142.32,61.52 142.32,62.8 145.13,65.61 SW17.2
Net-(D18-Pad2): length 40.7
  Top w0.25: v1(142.11,49.37) 142.24,49.37 D18.2
  Bottom w0.25: SW18.2 148.83,43.66 143.13,49.37 v1(142.11,49.37) ; SW18.2 151.88,41.64 157.14,36.38 158.67,36.38 159.86,37.57 SW18.2 160.29,39.61 SW18.2 162.51,39.61 SW18.2 ; SW18.2 150.95,44.59 150.95,45.87 153.76,48.68 SW18.2
Net-(D20-Pad2): length 100.3
  Top w0.25: D20.2 148.33,36.55 v1(149.73,37.94)
  Bottom w0.25: v1(149.73,37.94) 136.52,37.94 130.37,31.79 130.37,25.68 136.96,19.09 148.27,19.09 150.49,16.86 153.54,16.86 156.18,14.22 SW20.2 164.87,14.22 163.17,12.52 163.17,10.14 SW20.2 164.1,5.54 167.72,1.92 170.9,1.92 172.09,3.11 SW20.2 174.3,4.73 SW20.2 176.61,7.04 SW20.2
Net-(D21-Pad2): length 73.2
  Top w0.25: v1(136.27,48.86) 136.9,48.23 D21.2
  Bottom w0.25: SW21.2 163.85,67.56 158.72,62.42 158.72,59.3 153.62,54.2 151.89,54.2 149.1,51.4 138.81,51.4 v1(136.27,48.86) ; SW21.2 163.85,71.62 162.63,70.4 161.35,70.4 155.87,75.88 SW21.2 154.81,78.74 154.81,80.78 156.73,82.7 SW21.2 ; SW21.2 164.28,73.63 SW21.2 166.5,73.63 SW21.2
Net-(D22-Pad2): length 58.9
  Top w0.25: D22.2 141.09,43.07 145.62,47.59 v1(147.95,47.59)
  Bottom w0.25: v1(147.95,47.59) 152.85,52.49 157.42,52.49 164.49,59.56 SW22.2 ; SW22.2 163.56,61.68 163.56,63.2 166.13,65.77 SW22.2 ; SW22.2 164.49,58.95 170,53.44 171.26,53.44 172.48,54.66 SW22.2 172.9,56.7 SW22.2 175.12,56.7 SW22.2
Net-(D23-Pad2): length 69.5
  Top w0.25: v1(148.71,31.85) 148.71,32.4 144.57,36.55 D23.2
  Bottom w0.25: SW23.2 183.75,39.77 SW23.2 181.53,39.77 SW23.2 181.11,37.73 179.79,36.42 ; v1(148.71,31.85) 148.71,32.1 150.88,34.27 153.91,34.27 153.97,34.21 159.34,34.21 161.54,36.42 179.79,36.42 ; 179.79,36.42 176.4,36.42 173.12,39.7 SW23.2 172.19,44.76 172.19,46.68 174.35,48.84 SW23.2
Net-(D24-Pad2): length 65
  Top w0.25: v1(150.49,26) 145.54,30.96 D24.2
  Bottom w0.25: SW24.2 191.38,19.89 SW24.2 189.07,17.59 SW24.2 186.86,15.97 185.67,14.78 183.05,14.78 178.87,18.96 SW24.2 ; v1(150.49,26) 154.43,22.07 SW24.2 ; SW24.2 177.95,23 177.95,24.5 180.53,27.08 SW24.2
Net-(D25-Pad2): length 101.6
  Top w0.25: D25.2 136.4,43.02 v1(135,43.02)
  Bottom w0.25: SW25.2 182.4,86.31 SW25.2 ; SW25.2 182.21,85.06 159.87,62.73 159.87,60.82 159.16,60.11 159.16,58.55 154,53.39 151.72,53.39 148.21,49.88 144.4,49.88 143.63,50.64 139.82,50.64 135,45.82 v1(135,43.02) ; SW25.2 182.21,84.14 180.72,82.65 177.67,82.65 174.65,85.67 SW25.2 174.65,95.37 175.38,96.11 175.42,96.07 SW25.2 ; SW25.2 185.21,86.31
Net-(D26-Pad2): length 94
  Top w0.25: D26.2 138.81,37.43 147.19,45.82 v1(148.46,45.82)
  Bottom w0.25: v1(148.46,45.82) 148.46,46.07 154.43,52.04 157.73,52.04 161.92,56.23 164.97,56.23 168.21,52.99 174.29,52.99 187.18,65.87 187.75,65.87 189.33,67.45 SW26.2 ; SW26.2 189.33,67.13 188.07,65.87 186.7,65.87 181.76,70.81 SW26.2 181.76,76.44 183.78,78.45 SW26.2 ; SW26.2 189.52,68.69 SW26.2 192.33,68.69 SW26.2
Net-(D27-Pad2): length 97.3
  Top w0.25: v1(141.09,28.8) 141.09,30.7 D27.2
  Bottom w0.25: SW27.2 196.45,49.83 193.96,47.34 193.16,47.34 189.86,50.64 189.86,55.06 SW27.2 188.88,59.49 190.23,60.84 SW27.2 ; SW27.2 196.45,46.81 185.48,35.85 161.61,35.85 159.52,33.76 153.79,33.76 150.09,30.07 142.36,30.07 v1(141.09,28.8) ; SW27.2 196.64,51.08 SW27.2 199.45,51.08 SW27.2
Net-(D28-Pad2): length 110.2
  Top w0.25: v1(146.68,25.75) 146.3,25.37 D28.2
  Bottom w0.25: 214.72,49.12 211.71,49.12 209.09,51.74 SW28.2 209.09,60.73 210.89,62.53 SW28.2 ; 214.72,49.12 205.61,49.12 203.83,47.34 197.61,47.34 195.51,45.24 185.67,35.4 161.8,35.4 159.71,33.31 154.24,33.31 v1(146.68,25.75) ; 214.72,49.12 216.17,50.58 SW28.2 216.21,52.15 SW28.2 219.5,52.15 SW28.2
Net-(D29-Pad2): length 128.6
  Top w0.25: v1(136.52,40.74) 136.52,38.32 D29.2
  Bottom w0.25: SW29.2 205.06,87.78 200.7,83.41 186.56,83.41 172.94,69.79 167.95,69.79 164.3,66.14 164.3,64.61 159.64,59.95 159.64,56.48 156.09,52.94 152.66,52.94 148.08,48.36 144.78,48.36 142.94,50.19 140.59,50.19 136.52,46.13 v1(136.52,40.74) ; SW29.2 205.06,86.92 204.24,86.09 202.17,86.09 197.98,90.28 SW29.2 197.98,97.62 199.22,98.86 SW29.2 ; SW29.2 205.1,88.49 SW29.2 208.39,88.49 SW29.2
Net-(D30-Pad2): length 126.6
  Top w0.25: D30.2 135.63,30.96 v1(134.49,32.1)
  Bottom w0.25: 210.62,68.75 208.97,67.09 192.6,67.09 185.54,60.04 183.83,60.04 175.38,51.6 170.37,51.6 167.45,48.67 167.45,40.04 165.29,37.88 161.74,37.88 158.96,35.11 154.34,35.11 153.35,36.11 150.05,36.11 146.05,32.1 v1(134.49,32.1) ; 210.62,68.75 209.79,67.91 207.88,67.91 203.53,72.26 SW30.2 203.53,78.9 205.33,80.7 SW30.2 ; 210.62,68.75 SW30.2 213.25,70.36 SW30.2 213.95,70.32 SW30.2
Net-(D31-Pad2): length 153.9
  Top w0.25: D31.2 136.39,25.37 v1(136.01,25.75)
  Bottom w0.25: 231.29,75.3 SW31.2 231.65,76.04 SW31.2 235.04,76.04 SW31.2 ; 231.29,75.3 223.64,67.66 217.8,67.66 216.79,66.64 194.94,66.64 194.43,66.14 192.91,66.14 178.98,52.2 177.58,52.2 176.53,51.15 170.56,51.15 168.27,48.86 168.27,40.23 165.48,37.43 161.92,37.43 159.15,34.66 154.16,34.66 153.16,35.66 150.24,35.66 145.1,30.52 140.78,30.52 v1(136.01,25.75) ; 231.29,75.3 229.23,73.25 227.71,73.25 224.96,76 SW31.2 224.96,86.5 225.6,87.14 SW31.2
Net-(D32-Pad2): length 140.2
  Top w0.25: D32.2 142.24,19.78 v1(143.13,20.67)
  Bottom w0.25: SW32.2 228.26,67.45 229.24,68.42 SW32.2 ; SW32.2 228.26,56.94 230.25,54.96 232.21,54.96 234.59,57.34 SW32.2 234.96,57.32 SW32.2 238.35,57.32 SW32.2 ; SW32.2 228.26,58.84 225.68,56.25 225.68,52.17 223.64,50.13 218.31,50.13 216.85,48.67 209.73,48.67 206.12,45.05 195.96,45.05 185.54,34.64 179.7,34.64 177.92,32.86 155.32,32.86 v1(143.13,20.67)

## Copper pours and planes (outline as drawn; the poured copper is in the pictures)
gnd on Top, Bottom: 248.3,112.87 249.57,-16.41 -1.64,-16.16 -2.66,114.4
